# Altium PCB ZZW-FM17550-CB-001-V0.1.PcbDoc
Units mil, origin at the board's own origin, x right, y up, seen from the top; angles counter-clockwise.
Board outline 1920 x 2345 mil, 2 copper layers (Top Layer, Bottom Layer); 65 components, 43 nets, 249 pads, 170 vias.
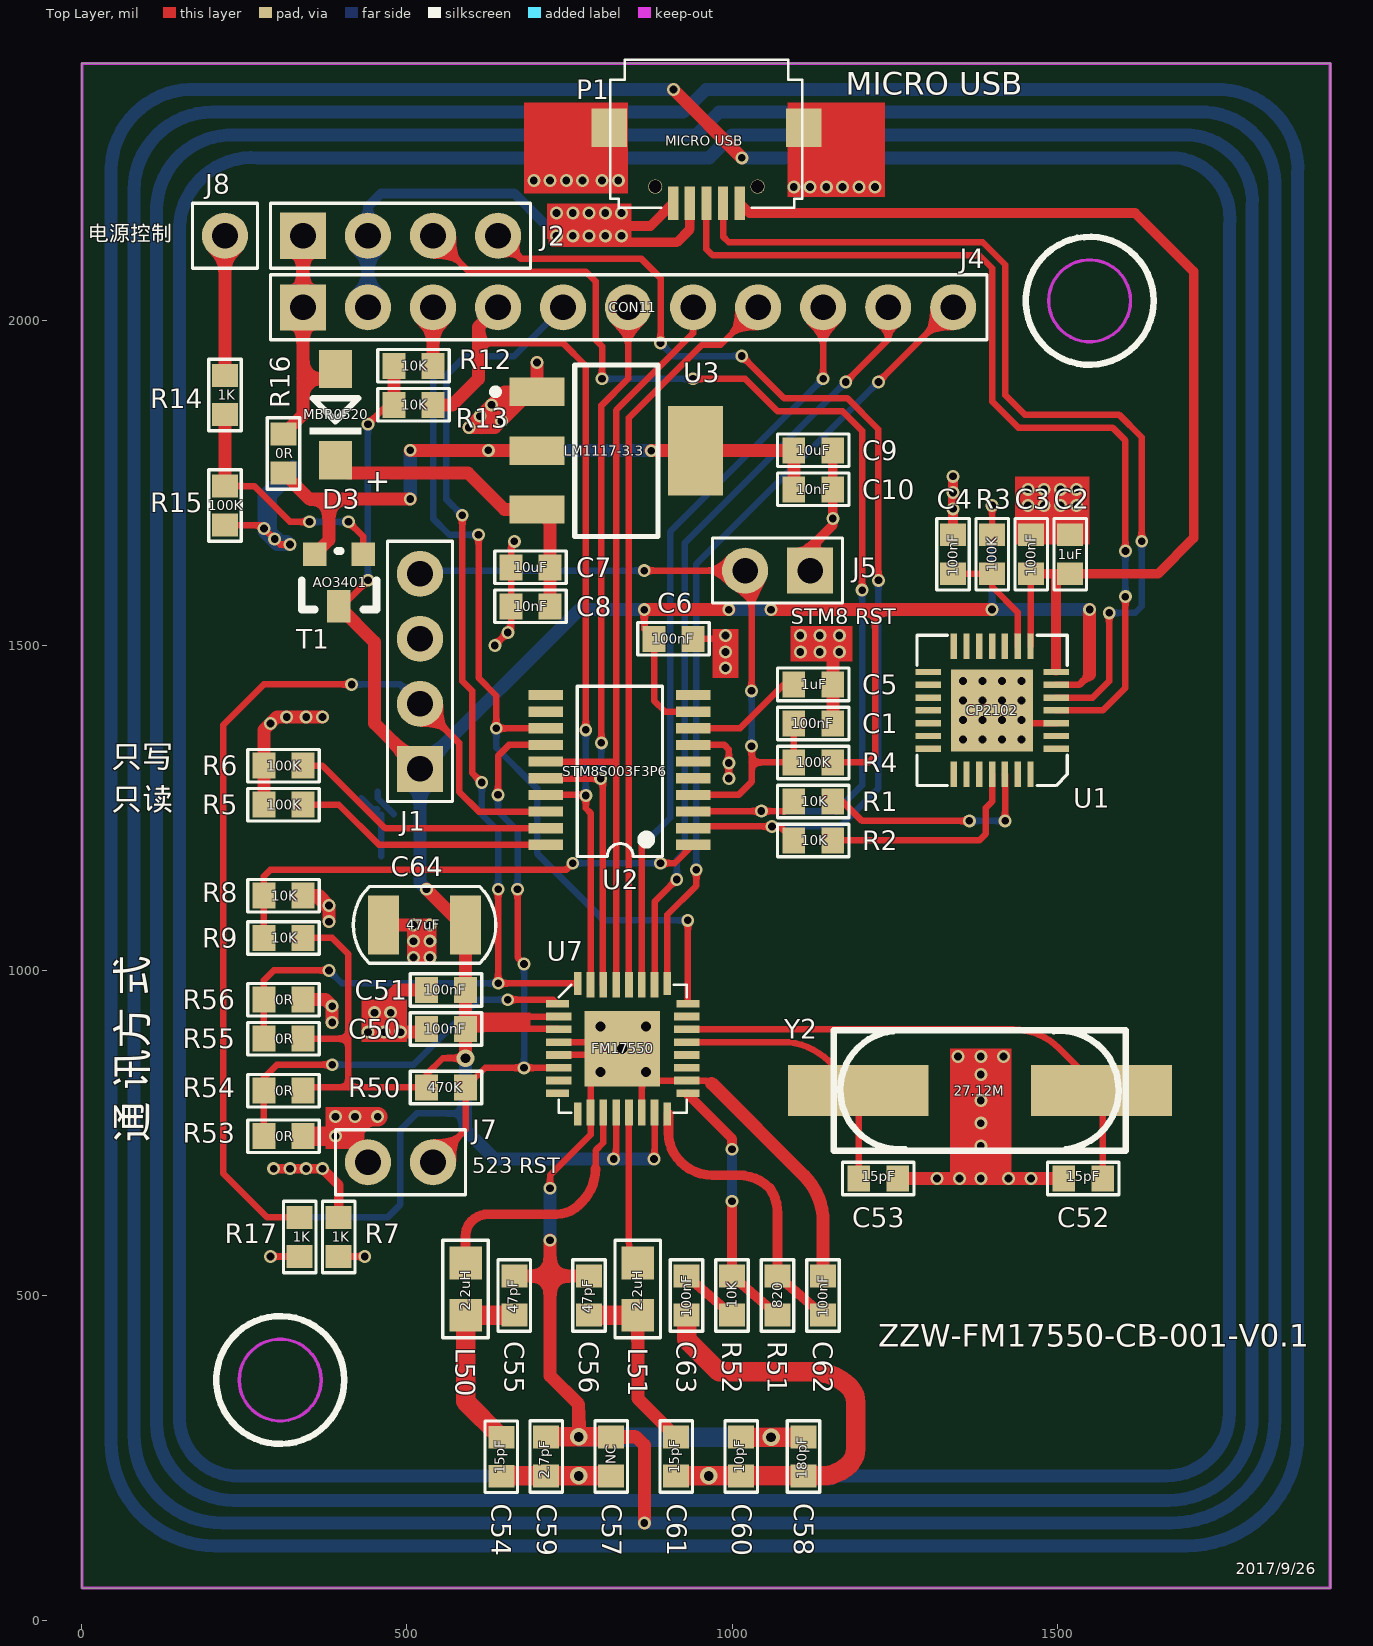
[diagram p0: Top Layer view]
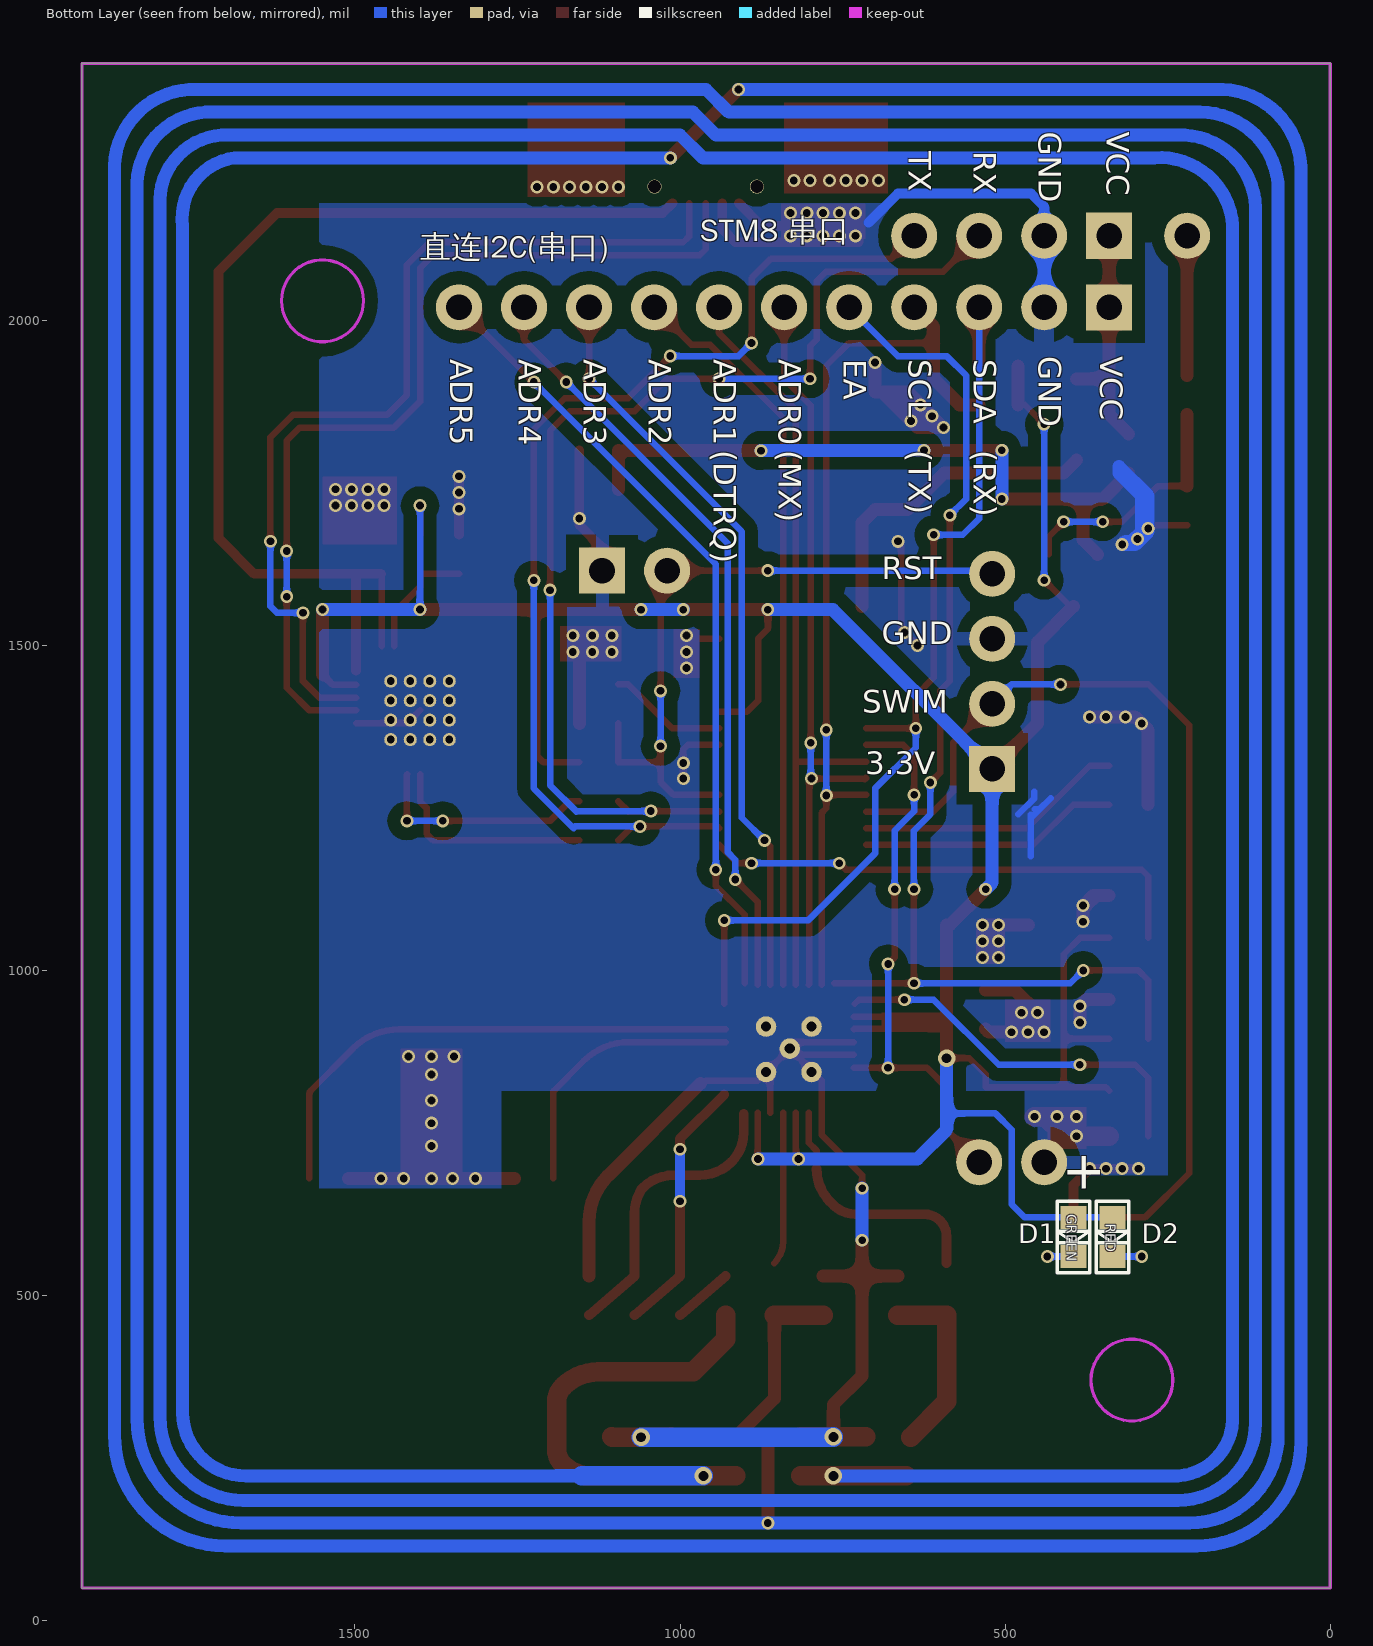
[diagram p1: Bottom Layer view, seen from below]

## Layer stack, top to bottom
Top Solder: solder mask 0.4, Solder Resist, Dk 3.5
Top Layer: signal copper 1.4
Dielectric 1: dielectric 12.6, FR-4, Dk 4.8
Bottom Layer: signal copper 1.4
Bottom Solder: solder mask 0.4, Solder Resist, Dk 3.5

## Board outline
0,50 1920,50 1920,2395 0,2395

## Design rules (kind name [scope] priority, off if disabled: settings)
Clearance Clearance_2 [InPolygon] p1: gap=20 ignorepadtopadclearanceinfootprint=FALSE except(0: Arc-Hole Track-Hole SMDPad-Hole THPad-Hole Via-Hole Fill-Hole Poly-Hole Region-Hole Text-Hole; 10: Text-Text)
Clearance Clearance_1 [InPolygon vs IsKeepOut] p2: gap=20 ignorepadtopadclearanceinfootprint=FALSE except(0: Arc-Hole Track-Hole SMDPad-Hole THPad-Hole Via-Hole Fill-Hole Poly-Hole Region-Hole Text-Hole)
Clearance [All] p3: gap=8 ignorepadtopadclearanceinfootprint=TRUE except(0: Arc-Hole Track-Hole SMDPad-Hole THPad-Hole Via-Hole Fill-Hole Poly-Hole Region-Hole Text-Hole)
ComponentClearance [All] p1: gap=0 collisioncheckmode=3 verticalgap=0 showdistances=FALSE
DiffPairsRouting [All] p1: maxlimit=100 minlimit=1 mostfreqgap=7 toplayer_minwidth=15 toplayer_maxwidth=15 toplayer_prefwidth=15 bottomlayer_minwidth=15 bottomlayer_maxwidth=15 bottomlayer_prefwidth=15 maxuncoupledlength=500
MinimumSolderMaskSliver [All] p1: minsoldermaskwidth=1
PolygonConnect PolygonConnect_2 [InComponent('J4')] p1: connectstyle=Relief reliefconductorwidth=30 reliefentries=4 polygonreliefangle="90 Angle" airgapwidth=20
PolygonConnect PolygonConnect_1 [InComponentClass('十字覆铜器件')] p2: connectstyle=Relief reliefconductorwidth=20 reliefentries=4 polygonreliefangle="90 Angle" airgapwidth=20
PolygonConnect [All] p3: connectstyle=Direct reliefconductorwidth=20 reliefentries=4 polygonreliefangle="90 Angle" airgapwidth=10
RoutingVias [All] p1: holewidth=11.81 width=19.68 viastyle="Through Hole" minholewidth=11.81 minwidth=19.68 maxholewidth=66.93 maxwidth=106.3
SilkToSilkClearance [All] p1: silktosilkclearance=0
SilkToSolderMaskClearance [IsPad] p1: minsilkscreentomaskgap=0 clearancetoexposedcopper=TRUE
SolderMaskExpansion [All] p1: expansion=4
Width [All] p1: maxlimit=100 minlimit=10 preferedwidth=10
25 further rules are at their usual default settings.

## Classes and differential pairs
component class 十字覆铜器件: J1 J2 J4 J5 J7

## Components (designator, comment, footprint, x,y, rotation, side; value= is the part's Value field where it differs from the comment)
C1 "100nF" 0603 1155,1380 r180 top
C2 "1uF" 0603 1520,1670 r270 top
C3 "100nF" 0603 1460,1670 r270 top
C4 "100nF" 0603 1340,1610 r90 top
C5 "1uF" 0603 1155,1440 r180 top
C6 "100nF" 0603 880,1510 r0 top
C7 "10uF" 0603 660,1620 r0 top
C8 "10nF" 0603 660,1560 r0 top
C9 "10uF" 0603 1155,1800 r180 top
C10 "10nF" 0603 1155,1740 r180 top
C50 "100nF" 0603 530,910 r0 top
C51 "100nF" 0603 530,970 r0 top
C52 "15pF" 0603 1510,680 r0 top
C53 "15pF" 0603 1255,680 r180 top
C54 "15pF" 0603 645,222 r90 top
C55 "47pF" 0603 665,530 r270 top
C56 "47pF" 0603 780,470 r90 top
C57 "NC" 0603 814.08,222.48 r90 top
C58 "180pF" 0603 1110,222.48 r90 top
C59 "2.7pF" 0603 714.08,222.48 r90 top
C60 "10pF" 0603 1014.08,222.48 r90 top
C61 "15pF" 0603 914.08,222.48 r90 top
C62 "100nF" 0603 1140,530 r270 top
C63 "100nF" 0603 930,470 r90 top
C64 "47uF" C1210 527.01,1070 r0 top
D1 "GREEN" LED0603 395,620 r270 bottom
D2 "RED" LED0603 335,620 r270 bottom
D3 "MBR0520" DIODE_SOP 390,1925 r270 top
J1 "" SIP4-2.54 520,1310 r90 top
J2 "" SIP4-2.54 340,2130 r0 top
J4 "CON11" SIP11-2.54 340,2020 r0 top
J5 "" SIP2-2.54#1 1120,1615 r180 top
J7 "" SIP2-2.54#2 440,705 r0 top
J8 "" SIP1-2.54 220,2130 r0 top
L50 "2.2uH" 0805 590,550 r270 top
L51 "2.2uH" 0805 855,550 r270 top
P1 "MICRO USB" "MICRO USB-T" 960.59,2180 r180 top locked
R1 "10K" 0603 1095,1260 r0 top
R2 "10K" 0603 1095,1200 r0 top
R3 "100K" 0603 1400,1610 r90 top
R4 "100K" 0603 1095,1320 r0 top
R5 "100K" 0603 280,1255 r0 top
R6 "100K" 0603 280,1315 r0 top
R7 "1K" 0603 395,620 r270 top
R8 "10K" 0603 340,1115 r180 top
R9 "10K" 0603 280,1050 r0 top
R12 "10K" 0603 480,1930 r0 top
R13 "10K" 0603 480,1870 r0 top
R14 "1K" 0603 220,1855 r90 top
R15 "100K" 0603 220,1745 r270 top
R16 "0R" 0603 310,1825 r270 top
R17 "1K" 0603 335,620 r270 top
R50 "470K" 0603 590,820 r180 top
R51 "820" 0603 1070,530 r270 top
R52 "10K" 0603 1000,530 r270 top
R53 "0R" 0603 280,745 r0 top
R54 "0R" 0603 340,815 r180 top
R55 "0R" 0603 280,895 r0 top
R56 "0R" 0603 280,955 r0 top
T1 "AO3401" SOT-23-H 433,1640 r180 top
U1 "CP2102" QFN-28-S 1400.43,1396.94 r180 top
U2 "STM8S003F3P6" SOP-20 940,1193.23 r180 top
U3 "LM1117-3.3" DSO-G3 822.05,1799.45 r270 top
U7 "FM17550" HVQFN32 733.15,948.74 r0 top
Y2 "27.12M" CRYSTAL-T 1195,815 r0 top

## Footprints (in the part's own frame and the unit in brackets; to place one, negate y for a bottom-side part, rotate by r counter-clockwise, add the part's x,y. Pads: shape width x height; smd on the part's side, far side on the other; paste and mask are expansions set on the pad)
0603 [mil]
  rect 35x40 smd: 1(0,0) 2(60,0)
  silkscreen extent -25,-25 85,25
0805 [mil]
  rect 50x50 smd: 1(0,0) 2(80,0)
  silkscreen extent -35,-35 115,35
C1210 [mm]
  rect 1.2x2.3 smd: 1(-1.6,0) 2(1.6,0)
  silkscreen extent -2.78,-1.5 2.78,1.5
CRYSTAL-T [mm]
  rect 5.5x2 smd: 1(-0.025,0.003) 2(9.476,0.003)
  silkscreen extent -0.97,-2.35 10.43,2.35
DIODE_SOP [mm]
  rect 1.5x1.3 smd: 1(0,0) 2(3.556,0)
  silkscreen extent 1.14,-1.01 2.56,1.02
DSO-G3 [mm]
  rect 1.1x2.15 smd: 1(-2.3,-3.1) 2(0,-3.1) 3(2.3,-3.1)
  rect 3.5x2.15 smd: 4(0,3.1)
  silkscreen extent -3.35,-4.85 3.35,1.63
HVQFN32 [mm]
  round 0.8 hole 0.4: 0(1.64,-2.67) 0(1.64,-0.892) 0(2.489,-1.753) 0(3.418,-2.67) 0(3.418,-0.892)
  rect 2.95x2.95 smd: 0(2.489,-1.753)
  rect 0.9x0.3 smd: 1(-0.05,0) 8(-0.05,-3.5) 17(5.05,-3.5) 24(5.05,0)
  rect 1x0.3 smd: 2(0,-0.5) 3(0,-1) 4(0,-1.5) 5(0,-2) 6(0,-2.5) 7(0,-3) 18(5,-3) 19(5,-2.5) 20(5,-2) 21(5,-1.5) 22(5,-1) 23(5,-0.5)
  rect 0.3x0.9 smd: 9(0.75,-4.3) 16(4.25,-4.3) 25(4.25,0.8) 32(0.75,0.8)
  rect 0.3x1 smd: 10(1.25,-4.25) 11(1.75,-4.25) 12(2.25,-4.25) 13(2.75,-4.25) 14(3.25,-4.25) 15(3.75,-4.25) 26(3.75,0.75) 27(3.25,0.75) 28(2.75,0.75) 29(2.25,0.75) 30(1.75,0.75) 31(1.25,0.75)
  silkscreen extent 0,-4.25 5,0.75
LED0603 [mil]
  rect 35x40 smd: 1(0,0) 2(60,0)
  silkscreen extent -25,-25 85,25
"MICRO USB-T" [mm]
  rect 1.4x1.5 smd: 0(-3.8,-2.95) 0(3.8,-2.95)
  rect 0.4x1.3 smd: 1(-1.3,0) 2(-0.65,0) 3(0,0) 4(0.65,0) 5(1.3,0)
  round 0.55 hole 0.5 unplated: 8(2,-0.65) 9(-2,-0.65)
  silkscreen extent -3.74,-5.6 3.75,0.18
QFN-28-S [mm]
  round 0.508 hole 0.305: 0(-1.132,1.065) 0(-1.132,-0.459) 0(-1.132,0.303) 0(-1.132,-1.221) 0(-0.37,1.065) 0(-0.37,0.303) 0(-0.37,-0.459) 0(-0.37,-1.221) 0(0.392,1.065) 0(0.392,0.303) 0(0.392,-0.459) 0(0.392,-1.221) 0(1.154,1.065) 0(1.154,-0.459) 0(1.154,0.303) 0(1.154,-1.221)
  rect 3.2x3.2 smd: 0(0.011,-0.078)
  rect 1x0.25 smd: 1(-2.489,1.422) 2(-2.489,0.922) 3(-2.489,0.422) 4(-2.489,-0.078) 5(-2.489,-0.578) 6(-2.489,-1.078) 7(-2.489,-1.578) 15(2.511,-1.578) 16(2.511,-1.078) 17(2.511,-0.578) 18(2.511,-0.078) 19(2.511,0.422) 20(2.511,0.922) 21(2.511,1.422)
  rect 0.25x1 smd: 8(-1.489,-2.578) 9(-0.989,-2.578) 10(-0.489,-2.578) 11(0.011,-2.578) 12(0.511,-2.578) 13(1.011,-2.578) 14(1.511,-2.578) 22(1.511,2.422) 23(1.011,2.422) 24(0.511,2.422) 25(0.011,2.422) 26(-0.489,2.422) 27(-0.989,2.422) 28(-1.489,2.422)
  silkscreen extent -2.93,-3.01 2.95,2.86
SIP1-2.54 [mm]
  round 1.8 hole 1: 1(0,0)
  silkscreen extent -1.27,-1.27 1.27,1.27
SIP2-2.54#1 [mm]
  rect 1.8x1.8 hole 1: 1(0,0)
  round 1.8 hole 1: 2(2.54,0)
  silkscreen extent -1.27,-1.27 3.81,1.27
SIP2-2.54#2 [mm]
  round 1.8 hole 1: 1(0,0) 2(2.54,0)
  silkscreen extent -1.27,-1.27 3.81,1.27
SIP4-2.54 [mm]
  rect 1.8x1.8 hole 1: 1(0,0)
  round 1.8 hole 1: 2(2.54,0) 3(5.08,0) 4(7.62,0)
  silkscreen extent -1.27,-1.27 8.89,1.27
SIP11-2.54 [mm]
  rect 1.8x1.8 hole 1: 1(0,0)
  round 1.8 hole 1: 2(2.54,0) 3(5.08,0) 4(7.62,0) 5(10.16,0) 6(12.7,0) 7(15.24,0) 8(17.78,0) 9(20.32,0) 10(22.86,0) 11(25.4,0)
  silkscreen extent -1.27,-1.27 26.72,1.27
SOP-20 [mm]
  rect 1.35x0.4 smd: 1(0,0) 2(0,-0.65) 3(0,-1.3) 4(0,-1.95) 5(0,-2.6) 6(0,-3.25) 7(0,-3.9) 8(0,-4.55) 9(0,-5.2) 10(0,-5.85) 11(5.75,-5.85) 12(5.75,-5.2) 13(5.75,-4.55) 14(5.75,-3.9) 15(5.75,-3.25) 16(5.75,-2.6) 17(5.75,-1.95) 18(5.75,-1.3) 19(5.75,-0.65) 20(5.75,0)
  silkscreen extent 1.19,-6.2 4.52,0.46
SOT-23-H [mil]
  rect 36x50 smd: 1(38,80)
  rect 36x36 smd: 2(0,0) 3(75,0)
  silkscreen extent -20,-5 95,85

## Part data
C1 C2 C3 C5 C6 C7 C8 C9 C10 C50 C51 C64: library part 0.1uF
C4: library part CAP, "Capacitor"
C52 C53 C54 C56 C57 C58 C59 C60 C61 C62 C63: library part Cap, "Capacitor"
C55: library part Cap, "0.1"
D1 D2: library part LED
D3: library part DIODE
J1 J2: library part CON4, "Connector"
J5 J7: library part CON2
J8: library part CON1
L50 L51: library part INDUCTANCE
R1 R2 R3 R4 R5 R6 R7 R8 R9 R12 R13 R14 R15 R16 R17 R50 R53 R54 R55 R56: library part RES1
R51 R52: library part Res1, "Resistor"
T1: library part MOSFET-P, "P-Channel MOSFET", LatestRevisionDate=17-Jul-2002, LatestRevisionNote="Re-released for DXP Platform.", PackageDescription="TO, Flat Index; 3 In-Line, Axial Leads; Body Dia. 4.6mm; Lead Dia. 0.5 mm (max)", PackageReference=E3, PackageVersion=1995/1996, Published=8-Jun-2000, Publisher="Altium Limited"
U3: library part AMS1117
U7: library part MFRC522
Y2: library part XTAL, "Crystal Oscillator"

## Via types
v1: diameter 20, hole 12, Top Layer to Bottom Layer, tented both sides, 111 vias
v2: diameter 19.68, hole 11.81, Top Layer to Bottom Layer, tented both sides, 54 vias
v3: diameter 27, hole 15, Top Layer to Bottom Layer, tented both sides, 5 vias

## Nets (pads, with @x,y where several pads share a name; then routed paths per layer and width w, separated by ;. In a path a pad name is that pad's centre, name@x,y a point inside that pad or via, vN(x,y) a via of type N, cw(c..) or ccw(c..) an arc to the next point about the centre after c; other vN are vias at no path point)
522_EA: J4.5 R55.1 R56.1 U7.32 | length 1778.6
  Top Layer w10: R55.1 R56.1 280,985 295,1000 v2(380,1000) ; v2(585,1700) 585,1445 600,1430 600,1304 v2(615,1289) ; v2(640.24,1124.76) v2(640.24,980.24) U7.32
  Bottom Layer w10: v2(380,1000) 399.76,980.24 v2(640.24,980.24) ; v2(585,1700) 560,1725 560,1915 590,1945 665,1945 J4.5 ; v2(615,1289) 615,1240 640.24,1214.76 v2(640.24,1124.76)
ADR_2: J4.8 U7.28 | length 1140.7
  Top Layer w10: U7.28 841.42,1850 953.92,1962.5 982.5,1962.5 J4.8
ADR_3: J4.9 U7.27 | length 1157.3
  Top Layer w10: U7.27 861.1,1191.1 v2(870,1200) ; v2(1140,1910) J4.9
  Bottom Layer w10: v2(870,1200) 905,1235 905,1675 v2(1140,1910)
ADR_4: J4.10 U7.26 | length 1190.5
  Top Layer w10: U7.26 880.79,1105.79 v2(915,1140) ; v2(1175,1905) 1240,1970 J4.10
  Bottom Layer w10: v2(915,1140) 915,1170 927,1182 927,1657 v2(1175,1905)
ADR_5: J4.11 U7.25 | length 1221.8
  Top Layer w10: U7.25 900.47,1085.47 945,1130 v2(945,1155) ; v1(1225,1905) J4.11
  Bottom Layer w10: v2(945,1155) 945,1625 v1(1225,1905)
D+: P1.3 U1.4 | length 1458.1
  Top Layer w10: P1.3 960.59,2109.41 970,2100 1380,2100 1400,2080 1400,1875 1440,1835 1585,1835 1605,1815 v1(1605,1645) ; U1.4 1570,1400 1605,1435 v2(1605,1575)
  Bottom Layer w10: v2(1605,1575) v1(1605,1645)
D-: P1.2 U1.5 | length 1456.5
  Top Layer w10: P1.2 986.18,2128.82 995,2120 1385.46,2120 1420,2085.46 1420,1885 1450,1855 1595,1855 1630,1820 v2(1630,1660) ; U1.5 1554.68,1419.68 1580,1445 v2(1580,1550)
  Bottom Layer w10: v2(1580,1550) 1620,1550 1630,1560 v2(1630,1660) v2@1635,1660
GND: C1.1 C2.1 C3.1 C4.2 C5.1 C6.2 C7.1 C8.1 C9.1 C10.1 C50.1 C51.1 C52.1 C53.1 C54.1 C55.1 C56.2 C57.1 C57.2 C58.1 C58.2 C59.1 C59.2 C60.1 C60.2 C61.1 C62.1 C63.1 C64.1 J1.3 J2.2 J4.2 J5.1 J7.1 P1.4 P1.5 R5.1 R6.1 R7.1 R8.1 R15.2 R53.2 R56.2 U1.0 U1.3 U2.7 U3.1 U7.0 U7.4 U7.5 U7.10 U7.14 U7.18 | length 37507
  Top Layer w10: R15.2 274.54,1685 287.54,1672 288,1672 305,1655 v1(320,1655) ; v1(635,1500) 660,1525 C8.1 C7.1 660,1655 v1(665,1660) ; v2(720,665) 720,685 782.36,747.36 U7.10 782.36,830.95 U7.0@821.41,870 ; U7.5 U7.0@821.41,870 ; U7.4 821.2,889.69 U7.0@831.15,879.74 ; U7.14 U7.0@861.1,849.79 ; U2.7 988.23,1346.77 995,1340 v1(995,1319) v1(995,1295) ; C6.2 v1@995,1510 ; 968.63,826.37 ccw(c958.34,816.08) 958.34,830.63 U7.18 880.26,830.63 U7.0@861.1,849.79 ; U1.0@1400,1400 1415,1385 1419.69,1380.31 U1.3 ; U7.0@821.41,870 U7.0@831.15,879.74 ; U7.0@831.15,879.74 U7.0@861.1,849.79
  Top Layer w15: v1(295,695) v1(370,695) 395,670 R7.1 ; 395,735 405,745 ; P1.5 874.41,2145 725,2145 725,2120 915,2120 935,2140 P1.4 ; J5.1 1120,1650 1155,1685 C10.1 C9.1 ; C4.2 v1(1340,1760) ; C3.1 C2.1
  Top Layer w20: R5.1 R6.1 280,1370 300,1390 v1(370,1390) ; R56.2 375,955 v1(385,945) v1(385,920) ; R8.1 360,1115 ; v1(380,1075) v1(380,1100) ; 405,745 405,765 415,755 420,750 445,775 v1(455,775) ; v1(440,905) v1(465,905) v1(490,905) 525,905 C50.1 ; C64.1 v1(510,1070) ; v1(475,935) v1(450,935) 485,970 C51.1 ; C55.1 720,530 ; v1(700,1935) U3.1 U3.1@690,1890 ; C59.2@713.6,282 C59.2 ; v2(720,585) 720,530 ; v3(764.08,282.48) 764.08,332.48 720,376.57 720,530 ; C56.2 720,530 ; C57.2 852.52,282.48 865,270 v1(865,150) ; v2(910,2355) v1(1015,2250) ; 968.63,826.37 1110.71,684.29 cw(c1040,613.58) 1140,613.58 C62.1 ; C1.1 C5.1 1155,1505 v1(1165,1515) ; C53.1 v1(1382.5,680) ; v1(1382.5,867.5) v1(1382.5,680) ; C52.1 v1(1382.5,680) ; 360,1115 365,1115 v1(380,1100) ; 360,1115 375,1100 v1(380,1100) ; v1(510,1070) 522.5,1070 ; v1(510,1070) v1(510,1045) v1(510,1020) v1(535,1020) ; 522.5,1070 v1(535,1070) v1(535,1045) v1(535,1020) ; 522.5,1070 522.5,1032.5 v1(535,1020) ; 615,1835 635,1855 ; 615,1835 635,1835 v1(645,1845) ; 615,1835 v1(595,1835) v1(630,1870) ; v1(630,1870) 630,1860 635,1855 ; v1(630,1870) 650,1890 U3.1@670,1890 ; 635,1855 U3.1@670,1890 ; 635,1855 v1(645,1845) ; v1(645,1845) U3.1@690,1890 ; U3.1@670,1890 U3.1@690,1890
  Top Layer w30: R53.2 v1(390,745) 405,745 415,755 435,775 v1(455,775) ; C54.1@652,222.48 C59.1 v3(764.08,222.48) C57.1 ; C59.2 v3(764.08,282.48) C57.2 ; C61.1 v3(964.08,222.48) C60.1 C58.1 1137.71,222.48 ccw(c1137.71,282.29) 1180,240 ccw(c1155.86,264.14) 1190,264.14 1190,335.86 ccw(c1155.86,335.86) 1180,360 ccw(c1125.72,305.72) 1125.72,382.48 980,382.48 930,432.48 C63.1 ; C60.2 1014.57,282 v3(1060,282) 1104.52,282 C58.2@1105,282.48
  Bottom Layer w10: 430,1265 446.99,1248.01 ; 454.56,1248.01 446.99,1248.01 ; 455,1275 455,1265 479.95,1240.05 ; 460.51,1175.51 460.51,1234.49 ; 460.51,1239.49 460.51,1234.49 ; 446.99,1248.01 460.51,1234.49
  Bottom Layer w15: J2.2 440,2175 460,2195 665,2195 710,2150
  Bottom Layer w20: J4.2 J2.2 ; v2(720,585) v2(720,665) ; v3(764.08,222.48) 243.94,222.48 cw(c239.65,312.14) 150,307.85 150,2145.96 cw(c262.02,2137.98) 270,2250 965,2250 1000,2285 1705,2285 cw(c1697.5,2182.5) 1800,2175 1800,312.91 cw(c1672.09,312.91) 1672.09,185 233.99,185 cw(c233.99,303.99) 115,303.99 115,2175 cw(c230,2170) 235,2285 945,2285 980,2320 1730,2320 cw(c1722.5,2207.5) 1835,2200 1835,309.81 cw(c1675.19,309.81) 1675.19,150 216.12,150 cw(c216.12,286.12) 80,286.12 80,2200 cw(c200,2200) 200,2320 925,2320 960,2355 1755,2355 cw(c1747.5,2232.5) 1870,2225 1870,285.36 cw(c1699.64,285.36) 1699.64,115 204.81,115 cw(c204.81,274.81) 45,274.81 45,2225 cw(c170,2230) 165,2355 v2(910,2355) ; v1(1015,2250) 1685,2250 cw(c1672.5,2157.5) 1765,2145 1765,319.7 cw(c1667.78,319.7) 1667.78,222.48 1150.86,222.48 ; v1@280,1675 280,1730 325,1775 325,1765 290,1730 290,1675 305.1,1659.9 315.1,1659.9 v1(320,1655) 300,1655 v1@280,1675
  Bottom Layer w30: v3(764.08,282.48) 764.57,282 v3(1060,282) ; v3(964.08,222.48) 1150.86,222.48
  other v1: 1315,680 1350,680 1425,680 1460,680 320,695 345,695 1382.5,730 1382.5,765 390,775 420,775 1382.5,800 1382.5,840 1347.5,867.5 1417.5,867.5 290,1380 315,1390 345,1390 990,1465 990,1490 1105,1490 1135,1490 1165,1490 990,1515 1105,1515 1135,1515 655,1520 296.5,1663.5 280,1679.54 1155,1695 1340,1710 1455,1715 1480,1715 1505,1715 1530,1715 1340,1735 1455,1740 1480,1740 1505,1740 1530,1740 612.5,1852.5 730,2130 755,2130 780,2130 805,2130 830,2130 730,2165 755,2165 780,2165 805,2165 830,2165
MCU_522RST: J7.2 R50.1 U2.14 U7.6 | length 868.2
  Top Layer w10: J7.2 590,755 R50.1 620.31,850.32 v1(680,850.32) U7.6 ; v2(640,1270) 640,1330 656.77,1346.77 U2.14 ; v2(670,1125) 670,1020 v2(680,1010)
  Bottom Layer w10: v2(640,1270) 640,1245 670,1215 v2(670,1125) ; v1(680,850.32) v2(680,1010)
MCU_MISO: J4.4 R13.2 U2.17 U7.31 | length 1405.1
  Top Layer w10: 610,1965 740,1965 775,1930 v2(775,1370) ; U2.17 774,1270 v1(775,1269) 775,1249.36 782.36,1242 U7.31
  Top Layer w20: R13.2 570,1870 610,1910 610,1965 610,1990 J4.4
  Bottom Layer w10: v1(775,1269) v2(775,1370)
MCU_MOSI: J4.6 U2.16 U7.30 | length 1146.6
  Top Layer w10: U2.16 714.03,1296 716.03,1294 717.03,1295 v1(798,1295) 801.27,1291.73 801.27,979.05 U7.30 ; v2(799,1350) 799,1869 840,1910 J4.6
  Bottom Layer w10: v1(798,1295) 799,1296 v2(799,1350)
MCU_NRST: C1.2 J1.4 J5.2 R4.1 U2.4 | length 1054.5
  Top Layer w10: v2(865,1615) J5.2 1030,1605 v2(1030,1430) ; U2.4 1010,1270 1030,1290 1030,1320 ; v2(1030,1345) 1030,1320 ; C1.2 R4.1 1030,1320
  Bottom Layer w10: J1.4 525,1615 v2(865,1615) ; v2(1030,1345) v2(1030,1430)
MCU_ReadOnly: R5.2 U2.20 | length 399.2
  Top Layer w10: R5.2 395,1255 456.77,1193.23 U2.20
MCU_SCK: J4.7 U2.15 U7.29 | length 1204.7
  Top Layer w10: U2.15 820.55,1321.18 ; U7.29 821.84,978.38 821.84,1861.84 940,1980 J4.7 ; J4.7@935,2025 J4.7@940,2030
MCU_SDA: J4.3 R12.2 U2.13 U7.24 | length 1501.8
  Top Layer w10: v2(610,1670) 610,1450 637.36,1422.64 v2(637.36,1372.36) U2.13 ; U7.24 v2(931.97,1076.97)
  Top Layer w20: R12.2 J4.3
  Bottom Layer w10: J4.3 540,1695 565,1670 v2(610,1670) ; v2(637.36,1372.36) 637.36,1342.64 700,1280 700,1180 803.03,1076.97 v2(931.97,1076.97)
MCU_SWIM: J1.2 R17.1 U2.18 | length 1507.2
  Top Layer w10: R17.1 285,620 217,688 217,1377 280,1440 v1(415,1440) ; J1.2@500,1397 509.53,1397 521.26,1408.74 580,1350 580,1275 610.59,1244.41 U2.18
  Bottom Layer w10: v1(415,1440) 490,1440 J1.2
MCU_WriteOnly: R6.2 U2.19 | length 413.5
  Top Layer w10: R6.2 370,1315 466.18,1218.82 U2.19
NetC4_1: C4.1 R3.1 U1.9 | length 187.9
  Top Layer w10: C4.1 R3.1 1400,1590 1439.37,1550.63 U1.9
NetC5_2: C5.2 U2.8 | length 183
  Top Layer w10: U2.8 1012.36,1372.36 1080,1440 C5.2
NetC7_2: C7.2 C8.2 D3.2 U3.3 | length 498.7
  Top Layer w20: D3.2 410,1765 593.9,1765 650,1708.9 U3.3 720,1688.9 C7.2 C8.2
NetC9_2: C9.2 C10.2 R16.2 T1.3 U3.2 U3.4 | length 1110.1
  Top Layer w20: R16.2 350,1725 380,1725 ; T1.3 380,1662 380,1725 ; v2(505,1725) 380,1725 ; v2(505,1800) v1(625,1800) 699.45,1800 U3.2 ; v2(875.55,1799.45) U3.4 1085.55,1799.45 C9.2@1095,1790 ; C10.2 C9.2@1095,1790 ; C9.2 C9.2@1095,1790
  Bottom Layer w20: v2(505,1725) v2(505,1800) ; v1(625,1800) 875,1800 v2(875.55,1799.45)
NetC52_2: C52.2 U7.22 Y2.2 | length 808.4
  Top Layer w10: U7.22 1432.37,909.37 cw(c1432.37,809.37) 1503.08,880.08 Y2.2 ; Y2.2 cw(c1563.36,810.41) 1570,810.41 C52.2
NetC53_2: C53.2 U7.21 Y2.1 | length 426
  Top Layer w10: U7.21 1078.04,889.69 cw(c1078.04,789.69) 1148.75,860.4 Y2.1 cw(c1191.7,812.78) 1195,812.78 C53.2
NetC54_2: C54.2 C55.2 L50.2 | length 285.8
  Top Layer w30: C54.2 590,337 L50.2 C55.2
NetC56_1: C56.1 C61.2 L51.2 | length 287
  Top Layer w20: L51.2 855,341.57 C61.2
  Top Layer w30: C56.1 L51.2
NetC62_2: C62.2 R51.1 U7.16 | length 456.7
  Top Layer w15: U7.16@902.19,779.45 902.19,750.39 ccw(c965.57,750.39) 920.76,705.57 921.05,705.27 ccw(c970,754.22) 970,685 1010,685 cw(c1010,617.42) 1057.79,665.21 1058.79,664.2 cw(c1001.72,626.72) 1070,626.72 R51.1 C62.2
NetC63_2: C63.2 R52.2 | length 92.2
  Top Layer w15: C63.2 R52.2
NetD1_2: D1.2 R7.2 | length 80
  Top Layer w10: R7.2 v2(435,560)
  Bottom Layer w10: D1.2 v2(435,560)
NetD2_2: D2.2 R17.2 | length 90
  Top Layer w10: v2(290,560) R17.2
  Bottom Layer w10: v2(290,560) D2.2
NetJ8_1: J8.1 R14.2 | length 215
  Top Layer w20: R14.2 J8.1
NetL50_1: L50.1 U7.11 | length 393.1
  Top Layer w10: 790,695 790,723 802.05,735.05 U7.11
  Top Layer w15: L50.1 590,590.86 cw(c624.14,590.86) 600,615 cw(c624.14,590.86) 624.14,625 730,625 ccw(c730,673.28) 764.14,639.14 768.79,643.79 ccw(c717.57,695) 790,695
NetL51_1: L51.1 U7.13 | length 235
  Top Layer w10: U7.13 841.42,582.79 ccw(c887.79,582.79) L51.1
NetR1_2: R1.2 U1.26 | length 349.1
  Top Layer w10: R1.2 1170,1260 1200,1230 v2(1365,1230) ; U1.26 1420,1301.26 v2(1420,1230)
  Bottom Layer w10: v2(1365,1230) v2(1420,1230)
NetR2_2: R2.2 U1.25 | length 334.9
  Top Layer w10: R2.2 1380,1200 1390,1210 1390,1250 1400,1260 U1.25
NetR8_2: R8.2 R9.1 U2.1 | length 775
  Top Layer w10: R9.1 R8.2 280,1145 290,1155 745,1155 v2(755,1165) ; v2(890,1165) 911.77,1165 U2.1
  Bottom Layer w10: v2(755,1165) v2(890,1165)
NetR14_1: R14.1 R15.1 T1.2 | length 382.3
  Top Layer w10: R15.1 265,1745 320,1690 v2(350,1690) ; v2(410,1690) 433,1667 T1.2
  Top Layer w20: R15.1 R14.1
  Bottom Layer w10: v2(350,1690) v2(410,1690)
NetR51_2: R51.2 R52.1 U7.17 | length 399.6
  Top Layer w15: U7.17@931.97,809.22 1000,741.19 v2(1000,725) ; v2(1000,645) R52.1 R51.2
  Bottom Layer w15: v2(1000,645) v2(1000,725)
RC522_I2C: R53.1 R54.2 U7.1 | length 593.5
  Top Layer w10: R53.1 R54.2 280,835 300,855 v2(385,855) ; v2(655,955) 724.92,955 U7.1
  Bottom Layer w10: v2(385,855) 510,855 610,955 v2(655,955)
USB_RX: J2.3 R1.1 U2.3 | length 1745.3
  Top Layer w10: J2.3 595,2075 775,2075 790,2060 790,1970 800,1960 v2(800,1910) ; U2.3 940.59,1245 v1(1045,1245) 1078.82,1245 1079.41,1244.41 R1.1 ; v2(940,1910) 1020,1910 1070,1860 1170,1860 1200,1830 v2(1200,1585)
  Bottom Layer w10: v2(800,1910) v2(940,1910) ; v1(1045,1245) 1158.82,1245 1159.41,1244.41 1200,1285 v2(1200,1585)
USB_TX: J2.4 R2.1 U2.2 | length 1674
  Top Layer w10: J2.4 675,2095 860,2095 890,2065 v2(890,1965) ; U2.2 942.59,1221.41 v1(1061.6,1221.41) 1073.59,1221.41 R2.1 ; v2(1015,1945) 1080,1880 1177.47,1880 1225,1832.47 v1(1225,1600)
  Bottom Layer w10: v2(890,1965) 910,1945 v2(1015,1945) ; v1(1061.6,1221.41) 1161.23,1221.41 1163.82,1218.82 1225,1280 v1(1225,1600)
VCC: D3.1 J2.1 J4.1 R16.1 | length 367.4
  Top Layer w20: R16.1 340,1855 340,1910 ; J2.1 J4.1 340,1910 ; D3.1@390,1910 340,1910
VCC_USB: C2.2 C3.2 P1.1 U1.7 U1.8 | length 1682.1
  Top Layer w10: U1.8 C3.2@1459.06,1609.06
  Top Layer w15: P1.1 1026.77,2165 1620,2165 1710,2075 1710,1665 1655,1610 C2.2 C3.2 ; U1.7@1498.43,1461 1498.43,1608
VDD: C6.1 C50.2 C51.2 C64.2 D1.1 D2.1 J1.1 R3.2 R4.2 R9.2 R12.1 R13.1 R50.2 R54.1 R55.2 T1.1 U1.6 U2.9 U7.2 U7.3 U7.12 U7.15 | length 5081.8
  Top Layer w10: R54.1 345,820 410,820 ; R55.2 410,895 ; R9.2 385,1050 410,1025 410,895 ; T1.1 400,1560 v2(440,1600) ; v2(440,1840) 470,1870 R13.1 ; v3(590,865) 555,865 530,840 R50.2 410,820 ; 590,935 595.94,929.06 609.05,929.06 ; U7.3 ccw(c731.63,907.85) 731.63,910 C50.2 609.05,929.06 ; U7.2 609.05,929.06 ; U7.12 v1@821.73,714.18 ; v2(865,1555) 865,1525 C6.1 880,1415 897.05,1397.95 U2.9 ; v1(880,710) ccw(c878.1,711.9) 880.79,711.9 U7.15 ; R4.2 1210,1320 1220,1330 1220,1555 ; R3.2 v2(1400,1715) ; U1.6 1534.37,1439.37 1550,1455 ; 410,820 410,895 ; v1@821.71,713.71 ccw(c815.82,714.18) v1@821.73,714.18 ; v1@821.71,713.71 cw(c815.82,714.18) 820,710 v1(818,710) v1@821.71,713.71 ; v1@821.73,713.73 v1@821.73,714.18
  Top Layer w20: T1.1 450,1505 450,1380 J1.1 ; R13.1 R12.1 ; v2(530,1125) 585,1070 C64.2 C51.2 590,935 ; v3(590,865) C50.2 ; v2(865,1555) v2(995,1555) ; v2(1060,1555) 1220,1555 v1(1400,1555) ; 1550,1455 v1(1550,1555)
  Bottom Layer w10: D2.1 D1.1 470,620 490,640 490,755 515,780 590,780 ; v2(440,1600) v2(440,1840) ; v1(1400,1555) v2(1400,1715)
  Bottom Layer w20: v2(530,1125) 520,1135 J1.1 765,1555 v2(865,1555) ; v3(590,865) 590,780 590,755 635,710 v1(818,710) v1(880,710) ; v2(995,1555) v2(1060,1555) ; v1(1400,1555) v1(1550,1555)
pads on no net: P1.0 P1.8 P1.9 U1.1 U1.2 U1.10 U1.11 U1.12 U1.13 U1.14 U1.15 U1.16 U1.17 U1.18 U1.19 U1.20 U1.21 U1.22 U1.23 U1.24 U1.27 U1.28 U2.5 U2.6 U2.10 U2.11 U2.12 U7.7 U7.8 U7.9 U7.19 U7.20 U7.23
copper on no net:
  other v1: 1095,2205 1120,2205 1145,2205 1170,2205 1195,2205 1220,2205 695,2215 720,2215 745,2215 770,2215 800,2215 825,2215

## Polygon pours and split planes (outlines as drawn)
GND on Bottom Layer "AutoNaming" (solid, remove dead copper, pour order 8): 250,685 470,685 470,815 475,815 490,815 1275,815 1275,665 1555,665 1555,2180 250,2180

## Keep-outs
Keep-Out Layer:
  circle w5: c305,370 r62.99
  circle w5: c1550,2030 r62.99
  lines w5: 0,50 0,2395 1920,2395 1920,50 1445,50 485,50 0,50

## Other copper
Top Layer:
  rectangle: 680,2195 840,2335
  rectangle: 1085,2190 1235,2335
  rectangle net GND: 715,2125 845,2180
  rectangle net GND: 1335,670 1430,880
  rectangle net GND: 970,1450 1010,1525
  rectangle net GND: 1435,1655 1550,1760
  rectangle net GND: 1090,1475 1185,1530
  rectangle net GND: 430,890 500,955
  rectangle net GND: 375,725 435,790
  rectangle net VDD: 580,905 690,935

## Silkscreen, mask and mechanical layers (free items; w line width, h text height)
Top Overlay:
  circle w10: c305,370 r98.43
  circle w10: c1550,2030 r98.43
  text "MICRO USB" at 1175,2335 h60
  text "电源控制" at 10,2115 h40
  text "+" at 435,1725 h60
  text "STM8 RST" at 1090,1525 h40
  text "只写" at 45,1300 h60
  text "只读" at 45,1235 h60
  text "通 讯方 式" at 115,735 h80 r90
  text "523 RST" at 600,680 h40
  text "ZZW-FM17550-CB-001-V0.1" at 1225,410 h60
  text "2017/9/26" at 1775,65 h30
Bottom Overlay:
  text "VCC" at 355,2290 h60 r90
  text "GND" at 460,2290 h60 r90
  text "RX" at 560,2260 h60 r90
  text "TX" at 660,2260 h60 r90
  text "STM8 串口" at 970,2110 h60
  text "直连I2C(串口)" at 1400,2085 h60
  text "VCC" at 365,1945 h60 r90
  text "GND" at 460,1945 h60 r90
  text "SDA" at 560,1940 h60 r90
  text "SCL" at 660,1940 h60 r90
  text "EA" at 760,1940 h60 r90
  text "ADR0" at 860,1940 h60 r90
  text "ADR1" at 960,1940 h60 r90
  text "ADR2" at 1060,1940 h60 r90
  text "ADR3" at 1160,1940 h60 r90
  text "ADR4" at 1260,1940 h60 r90
  text "ADR5" at 1365,1940 h60 r90
  text "(RX)" at 560,1800 h60 r90
  text "(TX)" at 660,1800 h60 r90
  text "(MX)" at 860,1800 h60 r90
  text "(DTRQ)" at 960,1800 h60 r90
  text "RST" at 690,1590 h60
  text "GND" at 690,1490 h60
  text "SWIM" at 720,1385 h60
  text "3.3V" at 715,1290 h60
  text "+" at 345,645 h100